# Altium PCB NG2092.PcbDoc (part 4 of 5)
Units mm, origin at the board's own origin, x right, y up, seen from the top; angles counter-clockwise.
Board outline 60 x 45 mm, 6 copper layers (Top Layer, Inner Layer 1, Ground 1, Inner Layer 2, Ground 2, Bottom Layer), stack 1.599 mm thick; 265 components, 220 nets, 1303 pads, 742 vias.
Unrouted connection lines stored in the file: 5.
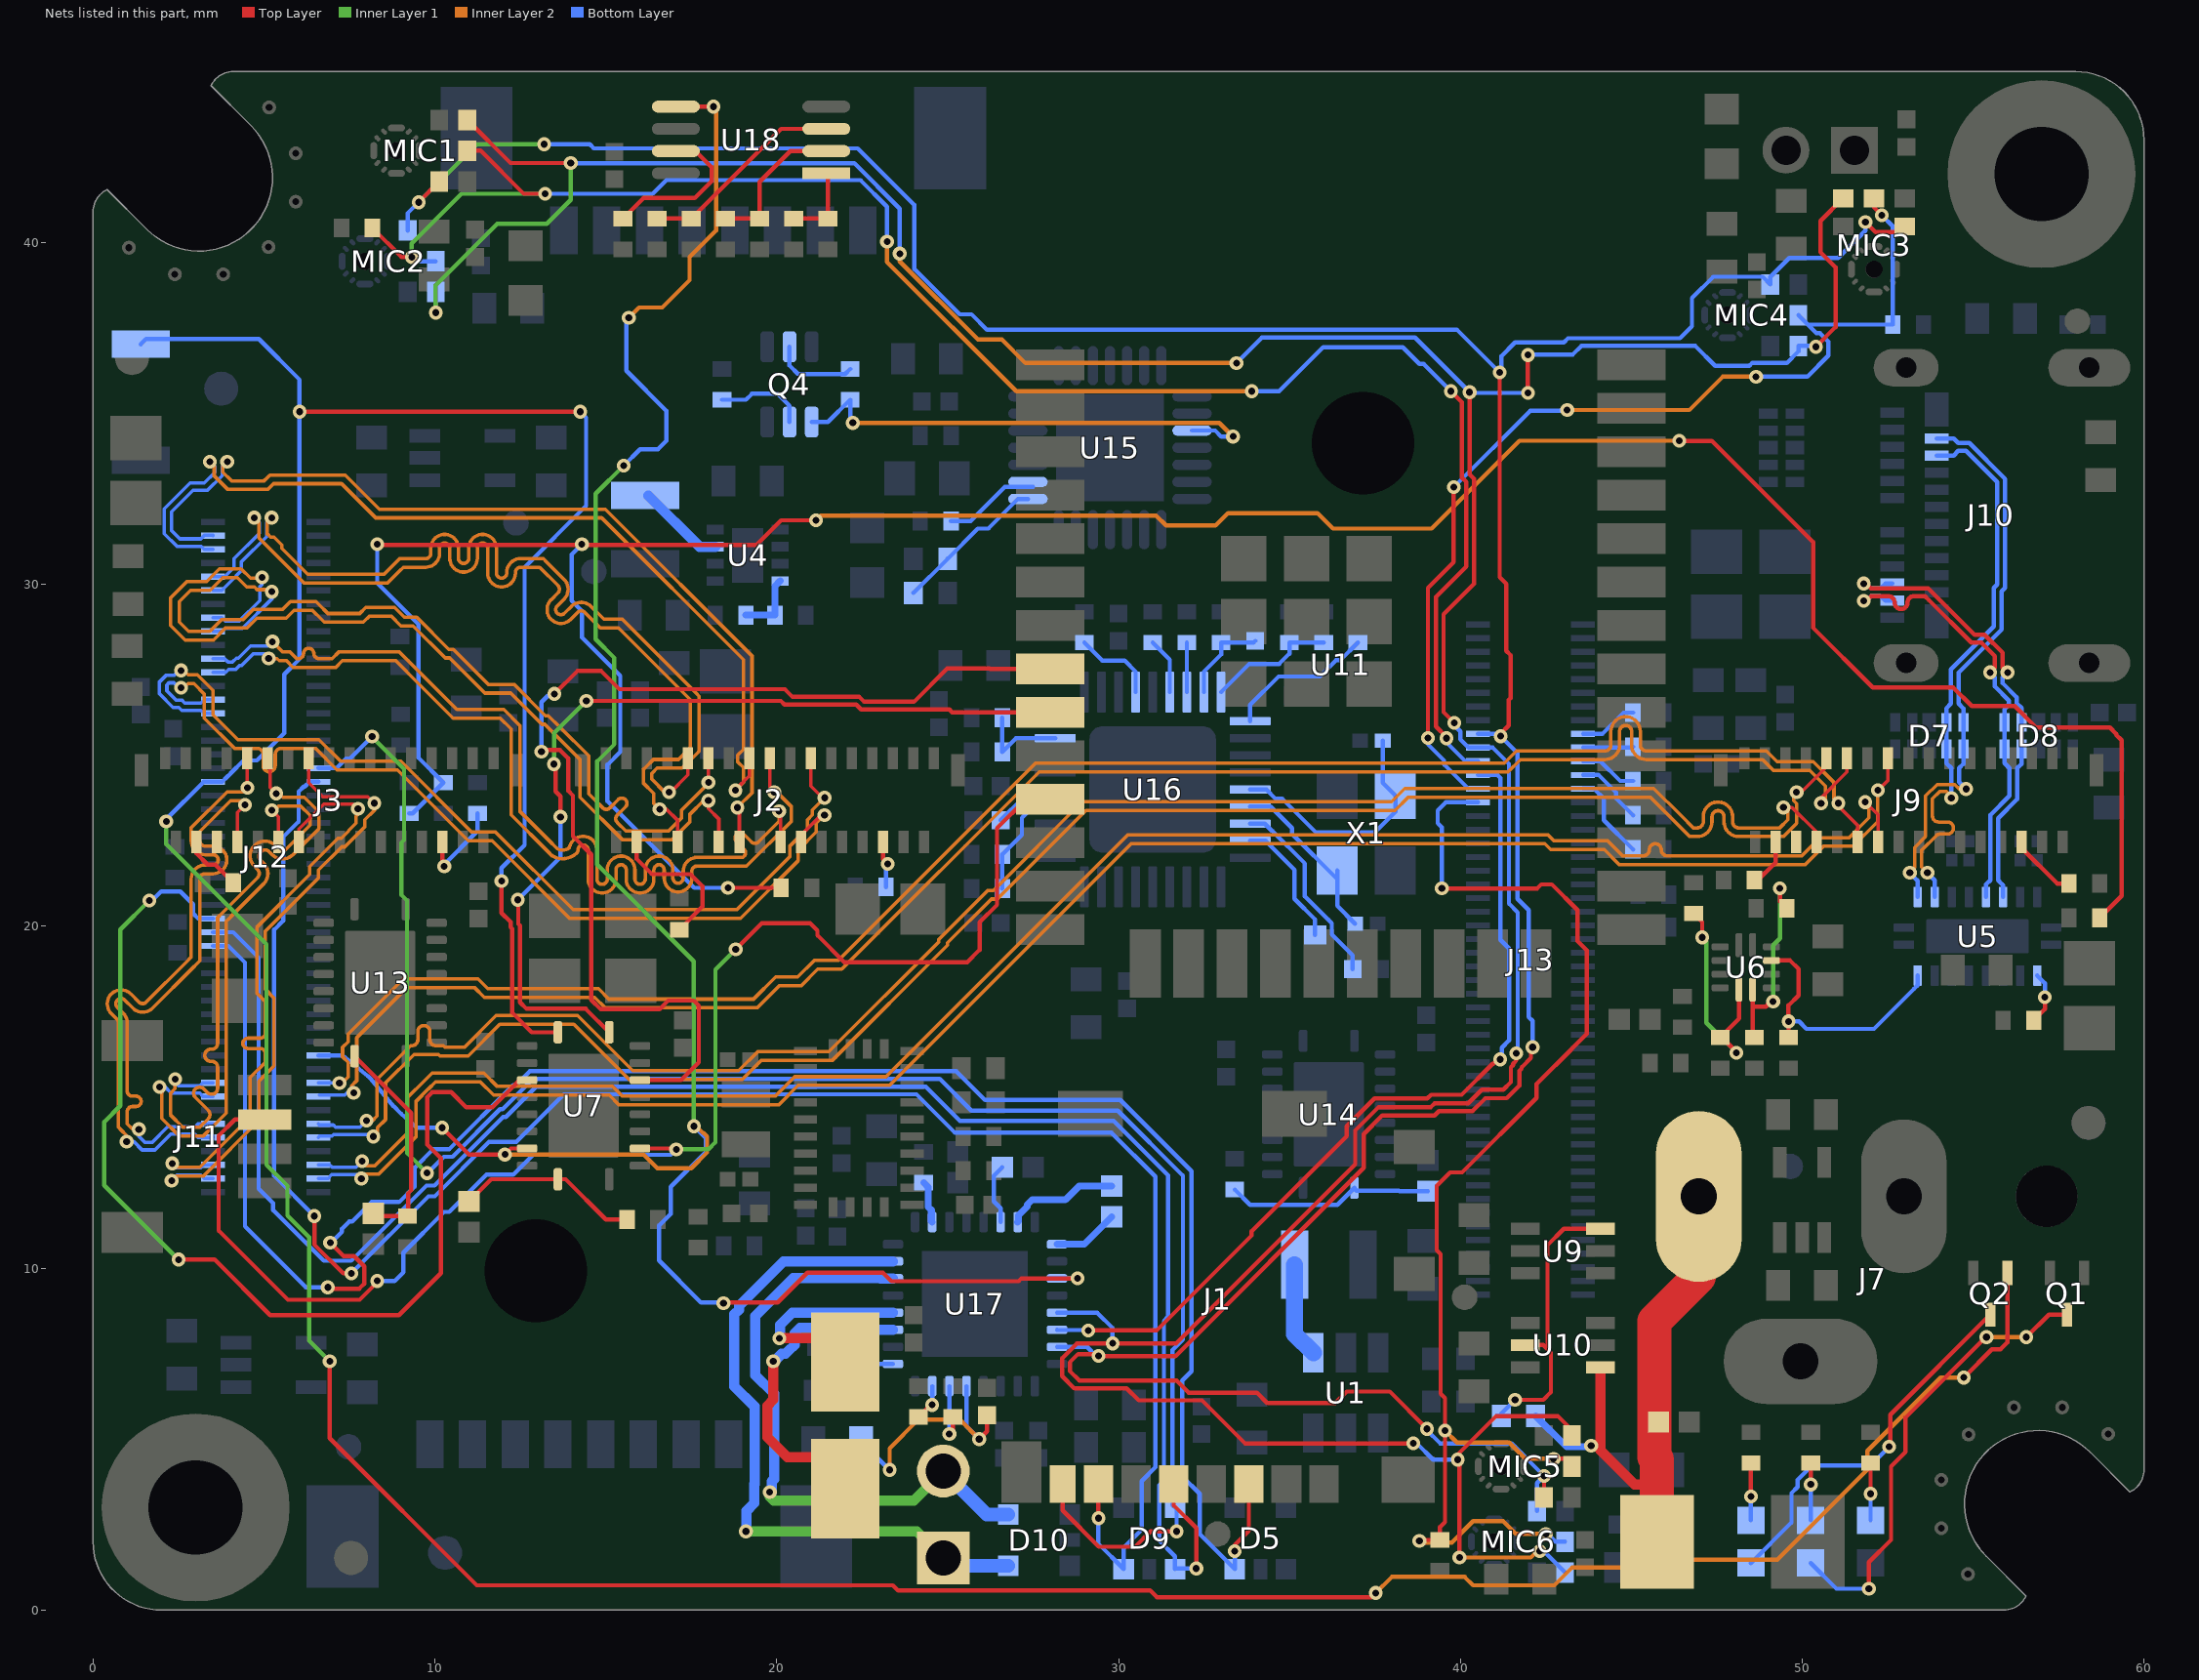
[diagram p8: the nets of this part, all layers, seen from the top]

## Via types
v1: diameter 0.406, hole 0.203, Top Layer to Bottom Layer, tented both sides, 734 vias
v2: diameter 0.508, hole 0.254, Top Layer to Bottom Layer, 8 vias

## Nets (pads, with @x,y where several pads share a name; then routed paths per layer and width w, separated by ;. In a path a pad name is that pad's centre, name@x,y a point inside that pad or via, vN(x,y) a via of type N, cw(c..) or ccw(c..) an arc to the next point about the centre after c; other vN are vias at no path point) (continued)
I2C3_SDA_1V8: J12.80 U7.8 U17.3 U18.5 | length 68.8
  Top Layer w0.125: v1(10.213,14.109) 10.997,13.325 v1(12.05,13.325) 12.225,13.5 U7.8@12.7,13.5 ; U18.5@17.05,43.975 v1(18.15,43.975) ; v1(18.442,8.973) 18.469,9 20.031,9 20.9,9.869 23.105,9.869 23.355,9.619 27.076,9.619 27.158,9.7 v1(28.8,9.7)
  Inner Layer 1 w0.125: v1(15.525,33.475) 14.7,32.65 14.7,28.4 15.25,27.85 15.25,25.325 14.75,24.825 14.75,21.8 17.575,18.975 17.575,14.155 v1(17.581,14.149)
  Inner Layer 2 w0.125: v1(12.05,13.325) 16.107,13.325 16.509,12.923 17.501,12.923 17.966,13.388 17.966,13.848 17.855,13.959 17.837,13.959 17.646,14.149 v1(17.581,14.149) ; v1(15.675,37.8) 15.975,38.1 16.65,38.1 17.45,38.9 17.45,39.575 18.225,40.35 18.225,43.9 v1(18.15,43.975)
  Bottom Layer w0.125: J12.80@6.59,16.225 7.307,16.225 8.036,15.624 cw(c7.625,15.125) 8.12,15.541 8.798,14.734 9.003,14.529 9.475,14.109 v1(10.213,14.109) ; v1(15.525,33.475) 16,33.95 16.525,33.95 16.775,34.2 16.775,35.075 15.6,36.25 15.6,37.725 v1(15.675,37.8) ; v1(17.581,14.149) 17.581,14.144 17.923,13.801 17.923,13.402 16.9,12.378 16.9,11.589 16.559,11.248 16.559,10.224 17.783,9 18.415,9 v1(18.442,8.973) ; U17.3@28.2,9.7 v1(28.8,9.7)
I2C3_SDA_3V3: J11.2 U7.13 U11.11 | length 42.8
  Top Layer w0.125: J11.2@5.025,14.35 4.15,14.35 3.675,13.875 3.675,11.1 5.7,9.075 7.8,9.075 8.311,9.586 v1(8.311,9.628) ; U7.13@16,13.5 17.036,13.5 v1(17.06,13.476) ; v1(18.8,19.325) 19.566,20.091 20.976,20.091 21.191,19.876 21.191,19.736 21.977,18.95 25.575,18.95 25.934,19.31 25.934,20.115 26.447,20.627 26.447,22.872 27.292,23.717 U11.11@28,23.717
  Inner Layer 1 w0.125: v1(17.06,13.476) 18.001,13.476 18.209,13.684 18.209,18.734 v1(18.8,19.325)
  Bottom Layer w0.125: v1(8.311,9.628) 8.825,9.628 9.075,9.878 9.075,10.45 10.27,11.645 10.422,11.645 11.511,12.734 12.295,12.734 12.876,13.316 16.9,13.316 v1(17.06,13.476)
I2S2_IN_SD0: J13.21 MIC1.6 MIC2.6 R74.1 | length 53.3
  Top Layer w0.125: R74.1@8.175,40.425 9.025,39.575 v1(9.325,39.575) ; MIC1.6@10.949,42.687 11.338,42.687 12.6,41.425 v1(13.225,41.425) ; v1(39.596,25.499) 39.596,25.534 39.284,25.845 39.284,29.634 40.177,30.527 40.177,32.995 40.045,33.127 40.045,35.33 v1(39.725,35.65)
  Inner Layer 1 w0.125: v1(9.325,39.575) 9.325,39.975 10.775,41.425 v1(13.225,41.425)
  Inner Layer 2 w0.125: v1(23.228,40.025) 23.228,39.43 27.008,35.65 v1(33.9,35.65)
  Bottom Layer w0.125: v1(9.325,39.575) 9.45,39.45 MIC2.6@10.025,39.45 ; v1(13.225,41.425) 16.375,41.425 16.775,41.825 22.45,41.825 23.228,41.047 v1(23.228,40.025) ; v1(33.9,35.65) 34.698,35.65 35.985,36.938 38.315,36.938 38.802,36.45 38.925,36.45 v1(39.725,35.65) ; v1(39.596,25.499) 39.596,25.377 40.148,24.825 J13.21@40.51,24.825
I2S2_IN_SD1: J13.25 MIC3.6 MIC4.6 R10.1 | length 30.2
  Top Layer w0.125: v1(39.05,25.511) 39.05,29.9 39.799,30.649 39.799,32.849 39.805,32.849 v1(39.811,32.844) ; MIC3.6@52.1,41.289 52.1,41.025 v1(52.325,40.8)
  Inner Layer 2 w0.125: v1(43.125,35.1) 46.7,35.1 47.675,36.075 v1(48.65,36.075)
  Bottom Layer w0.125: v1(39.05,25.511) 39.05,25.325 39.524,24.851 39.524,24.735 J13.25@40.233,24.025 ; v1(39.811,32.844) 42.042,35.075 43.1,35.075 v1(43.125,35.1) ; v1(48.65,36.075) 50.15,36.075 50.766,36.691 50.766,37.101 50.517,37.35 50.414,37.35 50.164,37.6 ; MIC4.6@49.889,37.875 50.164,37.6 ; v1(52.325,40.8) 52.65,40.475 R10.1@52.65,37.6 50.164,37.6
I2S2_IN_SD2: J13.27 MIC5.6 MIC6.6 R75.1 | length 38.2
  Top Layer w0.125: v1(38.8,2.025) 38.825,2.05 R75.1@39.4,2.05 39.4,2.425 39.55,2.575 v1(39.55,5.25) 39.55,6.197 39.422,6.325 39.422,10.41 39.309,10.523 39.309,12.409 39.7,12.8 40.05,12.8 42.228,14.978 42.228,15.386 42.78,15.937 42.783,15.937 43.7,16.855 43.7,19.296 43.428,19.568 43.428,20.472 42.675,21.225 42.366,21.225 42.248,21.107 v1(39.459,21.107) ; v1(42.725,4.425) 43.039,4.425 MIC5.6@43.264,4.2
  Inner Layer 2 w0.125: v1(38.8,2.025) 38.85,1.975 39.75,1.975 40.375,2.6 41.25,2.6 41.625,2.225 v1(42.501,2.225) ; v1(39.55,5.25) 39.9,4.9 41.425,4.9 41.9,4.425 v1(42.725,4.425)
  Bottom Layer w0.125: v1(39.459,21.107) 39.459,22.893 39.337,23.016 39.337,23.387 39.575,23.625 J13.27@40.51,23.625 ; v1(42.501,2.225) 42.55,2.225 42.775,2 MIC6.6@43.064,2
I2S2_OUT_SD0: J13.23 U17.6 | length 25.6
  Top Layer w0.125: v1(29.118,8.178) 31.113,8.178 33.894,10.959 33.894,11.079 36.675,13.86 36.675,14.15 37.487,14.963 39.032,14.963 39.141,15.072 40.037,15.072 40.943,15.978 40.964,15.978 41.094,16.108 v1(41.163,16.108)
  Bottom Layer w0.125: U17.6@28.2,8.2 28.211,8.189 29.107,8.189 v1(29.118,8.178) ; J13.23@40.51,24.425 41.085,24.425 41.173,24.337 41.173,22.287 41.171,22.285 41.171,19.606 41.428,19.348 41.428,16.668 41.212,16.452 41.212,16.157 v1(41.163,16.108)
I2S2_SCK: J13.17 MIC1.4 MIC2.4 MIC3.4 MIC4.4 MIC5.4 MIC6.4 U17.7 | length 111.3
  Top Layer w0.125: v1(9.525,41.175) 9.525,41.185 MIC1.4@10.127,41.787 ; v1(39.025,5.3) 37.934,6.391 36.674,6.391 36.342,6.059 34.347,6.059 34.047,6.359 32.052,6.359 31.699,6.712 28.856,6.712 28.575,6.992 28.575,7.246 28.817,7.488 29.362,7.488 v1(29.416,7.434) 29.428,7.422 31.66,7.422 37.175,12.937 37.175,13.925 37.712,14.463 39.242,14.463 39.37,14.591 40.352,14.591 40.733,14.972 41.36,14.972 41.728,15.34 41.728,15.771 41.791,15.835 41.791,15.873 42.065,16.147 42.065,16.413 v1(42.114,16.462) ; v1(41.149,36.201) 41.149,30.209 41.343,30.016 41.343,28.055 41.466,27.932 41.466,26.674 41.413,26.621 41.413,26.204 41.416,26.201 41.416,25.872 41.18,25.637 v1(41.18,25.561) ; MIC5.4@42.442,3.3 42.45,3.308 v1(42.45,3.925) ; v1(51.85,40.6) 52.15,40.3 52.833,40.3 MIC3.4@53,40.467
  Inner Layer 1 w0.125: v1(9.525,41.175) 11.225,42.875 v1(13.2,42.875)
  Bottom Layer w0.125: MIC2.4@9.203,40.35 9.203,40.853 v1(9.525,41.175) ; v1(13.2,42.875) 14.528,42.875 14.65,42.753 22.372,42.753 24.025,41.1 24.025,39.225 25.35,37.9 25.7,37.9 26.155,37.445 39.905,37.445 v1(41.149,36.201) 41.2,36.252 41.2,36.675 41.6,37.075 43.025,37.075 43.15,37.2 46.425,37.2 46.775,37.55 46.775,38.375 47.4,39 48.842,39 MIC4.4@49.067,38.775 49.067,38.992 49.625,39.55 51.05,39.55 51.85,40.35 v1(51.85,40.6) ; U17.7@28.2,7.7 29.081,7.7 29.346,7.434 v1(29.416,7.434) ; v1(39.025,5.3) 39.025,5.258 39.408,4.875 41.5,4.875 v1(42.45,3.925) 42.242,3.717 MIC6.4@42.242,2.9 ; J13.17@40.51,25.625 41.116,25.625 v1(41.18,25.561) 41.673,25.068 41.673,22.08 41.671,22.078 41.671,20.806 42.002,20.475 42.002,17.344 42.112,17.234 42.112,16.464 v1(42.114,16.462)
I2S2_WS: J13.19 MIC1.1 MIC2.1 MIC3.1 MIC4.1 MIC5.1 MIC6.1 U17.5 | length 123.6
  Top Layer w0.125: MIC1.1@10.949,43.587 12.211,42.325 v1(13.975,42.325) ; v1(38.625,4.875) 33.7,4.875 32.441,6.134 30.591,6.134 30.238,6.487 28.704,6.487 28.35,6.841 28.35,7.366 28.784,7.8 v1(29.825,7.8) 31.685,7.8 36.925,13.04 36.925,14.029 37.609,14.713 39.138,14.713 39.248,14.822 40.23,14.822 40.63,15.222 41.257,15.222 41.478,15.443 41.478,15.875 41.541,15.938 41.541,15.977 41.637,16.073 v1(41.637,16.289) ; v1(39.821,25.952) 39.509,26.264 39.509,29.126 40.402,30.019 40.402,33.088 40.27,33.22 v1(40.27,35.622) ; v1(39.975,1.538) 39.975,4.35 v1(39.925,4.4) 39.925,4.55 41.05,5.675 42.85,5.675 43.264,5.261 MIC5.1@43.264,5.1 ; v1(41.975,35.601) v1(41.975,36.709) ; v1(50.4,36.95) 50.975,37.525 50.975,39.275 50.534,39.716 50.534,40.634 51.189,41.289 MIC3.1@51.2,41.289
  Inner Layer 1 w0.125: v1(10.025,37.95) 10.025,38.75 11.825,40.55 13.275,40.55 13.975,41.25 v1(13.975,42.325)
  Inner Layer 2 w0.125: v1(23.6,39.675) 23.6,39.45 25.887,37.163 26.587,37.163 27.275,36.475 v1(33.45,36.475) ; v1(39.975,1.538) 42.06,1.538 42.245,1.723 v1(42.321,1.723)
  Bottom Layer w0.125: v1(10.025,37.95) MIC2.1@10.025,38.55 ; v1@13.975,42.319 22.274,42.319 23.6,40.993 v1(23.6,39.675) ; U17.5@28.2,8.7 29.375,8.7 29.825,8.25 v1(29.825,7.8) ; v1(33.45,36.475) 34.195,37.22 38.672,37.22 v1(40.27,35.622) ; v1(38.625,4.875) 38.725,4.875 39.2,4.4 v1(39.925,4.4) ; v1(39.821,25.952) 39.821,25.876 39.997,25.699 39.997,25.468 40.24,25.225 J13.19@40.51,25.225 40.95,25.225 41.423,24.752 41.423,22.184 41.421,22.182 41.421,20.664 41.678,20.407 41.678,16.33 v1(41.637,16.289) ; v1@40.27,35.601 v1(41.975,35.601) ; v1(41.975,36.709) 41.991,36.725 43.291,36.725 43.541,36.975 46.875,36.975 47.456,36.394 48.452,36.394 48.533,36.475 49.55,36.475 49.889,36.814 MIC4.1@49.889,36.975 50.375,36.975 v1(50.4,36.95) ; v1(42.321,1.723) 42.441,1.723 MIC6.1@43.064,1.1
LLS+: LS1.P U17.19 | length 9.4
  Top Layer w0.3: v1(19.9,7.275) 19.9,6.15 19.725,5.975 19.725,5.059 20.312,4.472 21.15,4.472 22,3.622 LS1.P@22,3.55
  Bottom Layer w0.3: v1(19.9,7.275) 19.929,7.275 20.148,7.495 20.254,7.495 20.337,7.578 20.346,7.578 20.528,7.76 20.528,8.102 20.686,8.26 22.414,8.26 22.474,8.2 U17.19@23.4,8.2
LLS-: LS1.N U17.20 | length 6.1
  Top Layer w0.3: v1(20.075,7.948) 21.302,7.948 LS1.N@22,7.25
  Bottom Layer w0.3: v1(20.075,7.948) 20.095,7.968 20.095,8.337 20.459,8.7 U17.20@23.4,8.7
MIPI_RX2_C_N: J3.20 J12.95 | length 18.3
  Top Layer w0.102: J3.20@6.02,22.466 6.02,22.845 6.749,23.574 7.611,23.574 v1(7.75,23.436)
  Inner Layer 2 w0.102: v1(2.316,13.062) 2.426,12.952 3.128,12.952 4.6,14.424 4.6,15.575 5.045,16.02 5.045,16.223 5.045,16.274 ccw(c4.894,16.274) 4.894,16.425 4.535,16.425 cw(c4.535,16.576) 4.535,16.727 4.894,16.727 ccw(c4.894,16.877) 5.045,16.877 5.045,17.3 5.045,17.795 4.789,18.051 4.789,19.966 6.339,21.517 6.339,21.747 7.17,22.577 7.263,22.577 7.697,23.012 7.697,23.217 7.75,23.269 v1(7.75,23.436)
  Bottom Layer w0.102: v1(2.316,13.062) 2.445,12.933 3.158,12.933 3.25,13.025 J12.95@3.51,13.025
MIPI_RX2_C_P: J3.19 J12.97 | length 18.4
  Top Layer w0.102: J3.19@6.312,24.916 6.312,24.202 6.725,23.79 8.039,23.79 v1(8.228,23.601)
  Inner Layer 2 w0.102: v1(2.3,12.556) 2.441,12.698 3.233,12.698 4.854,14.318 4.854,15.47 5.299,15.915 5.299,17.9 5.043,18.156 5.043,19.861 6.593,21.411 6.593,21.642 7.275,22.323 7.368,22.323 7.951,22.907 7.951,23.112 8.228,23.389 v1(8.228,23.601)
  Bottom Layer w0.102: v1(2.3,12.556) 2.46,12.717 3.158,12.717 3.25,12.625 J12.97@3.51,12.625
MIPI_RX2_D0_N: J3.26 J12.89 | length 18.4
  Top Layer w0.102: J3.26@4.22,22.466 4.22,23.33 v1(4.443,23.554)
  Inner Layer 2 w0.102: 0.714,17.628 cw(c0.82,17.735) 0.713,17.842 cw(c0.82,17.735) 0.927,17.842 ; 0.714,17.628 0.881,17.462 cw(c0.595,17.175) 1,17.175 1,15.677 1,15.486 1,15.181 ccw(c1.151,15.181) 1.151,15.03 1.257,15.03 cw(c1.257,14.879) 1.257,14.728 1.151,14.728 ccw(c1.151,14.577) 1,14.577 1,14.225 1.163,14.062 v1(1.342,14.062) ; 0.928,17.841 1.164,17.605 ccw(c1.451,17.89) 1.738,17.604 2.916,18.782 ; 2.917,18.783 3.042,18.908 3.125,18.991 3.125,19.158 3.125,21.386 cw(c3.276,21.386) 3.276,21.537 3.51,21.537 ccw(c3.51,21.942) 3.51,22.346 3.276,22.346 cw(c3.276,22.497) 3.125,22.497 3.125,22.675 3.125,22.777 4.025,23.677 4.32,23.677 v1(4.443,23.554)
  Bottom Layer w0.102: v1(1.342,14.062) 1.342,13.856 1.524,13.674 1.724,13.674 2.183,14.133 2.975,14.133 3.067,14.225 J12.89@3.51,14.225
MIPI_RX2_D0_P: J3.25 J12.91 | length 18.4
  Top Layer w0.102: J3.25@4.512,24.916 4.512,24.062 v1(4.52,24.054)
  Inner Layer 2 w0.102: v1(0.984,13.704) 0.984,13.882 0.82,14.045 0.746,14.12 0.746,15.729 0.746,17.175 ccw(c0.595,17.175) 0.701,17.282 0.534,17.449 cw(c0.82,17.735) 0.534,18.022 cw(c0.82,17.735) 1.107,18.021 1.344,17.784 ; 1.344,17.784 ccw(c1.451,17.89) 1.558,17.784 2.736,18.962 2.862,19.088 2.871,19.097 2.871,19.158 2.871,21.386 cw(c3.276,21.386) 3.276,21.791 3.51,21.791 ccw(c3.51,21.942) 3.51,22.092 3.276,22.092 cw(c3.276,22.497) 2.871,22.497 2.871,22.675 2.871,22.882 3.92,23.931 4.396,23.931 v1(4.52,24.054)
  Bottom Layer w0.102: v1(0.984,13.704) 1.189,13.704 1.435,13.458 1.813,13.458 2.272,13.917 2.975,13.917 3.067,13.825 J12.91@3.51,13.825
MIPI_RX2_D1_N: J3.22 J12.83 | length 18.4
  Top Layer w0.102: v1(5.23,23.394) 5.42,23.204 J3.22@5.42,22.466
  Inner Layer 2 w0.102: v1(2.4,15.525) 2.4,15.245 2.262,15.107 2.262,14.488 2.625,14.125 3.125,14.125 3.162,14.163 3.369,14.369 ccw(c3.245,14.493) 3.369,14.618 2.994,14.992 cw(c3.118,15.117) 2.994,15.241 cw(c3.118,15.117) 3.243,15.241 3.346,15.138 ccw(c3.47,15.262) 3.646,15.262 3.646,15.531 3.646,15.825 3.646,15.876 ccw(c3.47,15.876) 3.47,16.052 3.445,16.052 cw(c3.445,16.227) 3.269,16.227 cw(c3.445,16.227) 3.445,16.403 3.47,16.403 ccw(c3.47,16.579) 3.646,16.579 3.646,16.825 3.646,20.254 3.783,20.392 3.909,20.517 ; 3.909,20.518 4.81,21.418 ccw(c4.686,21.543) 4.81,21.668 ; 4.81,21.668 4.724,21.754 cw(c5.028,22.058) 4.724,22.362 cw(c5.028,22.058) 5.332,22.361 ; v1(5.23,23.394) 5.308,23.394 5.429,23.515 6.075,23.515 6.35,23.24 6.35,22.958 6.221,22.829 6.095,22.704 ; 5.333,22.361 5.418,22.276 ccw(c5.543,22.4) 5.667,22.276 6.095,22.703
  Bottom Layer w0.102: v1(2.4,15.525) 2.4,15.425 2.492,15.333 3.125,15.333 3.217,15.425 J12.83@3.51,15.425
MIPI_RX2_D1_P: J3.23 J12.85 | length 18.5
  Top Layer w0.102: J3.23@5.112,24.916 5.182,24.846 5.182,24.06 v1(5.358,23.884)
  Inner Layer 2 w0.102: v1(1.947,15.299) 2.008,15.238 2.008,14.383 2.52,13.871 3.23,13.871 3.825,14.466 3.9,14.541 3.9,20.149 3.963,20.212 4.088,20.337 ; 4.089,20.338 4.989,21.239 ccw(c4.686,21.543) 4.989,21.848 4.904,21.933 ; 4.904,21.933 cw(c5.028,22.058) 5.152,22.182 ; 5.153,22.181 5.238,22.096 ccw(c5.543,22.4) 5.847,22.096 6.274,22.523 ; v1(5.358,23.884) 5.439,23.884 5.554,23.769 6.18,23.769 6.604,23.346 6.604,22.853 6.4,22.65 6.275,22.524
  Bottom Layer w0.102: v1(1.947,15.299) 2.105,15.299 2.287,15.117 3.125,15.117 3.217,15.025 J12.85@3.51,15.025
MIPI_RX3_C_N: J9.20 J12.96 | length 53.6
  Top Layer w0.102: v1(51.844,23.632) 52.22,23.257 J9.20@52.22,22.466
  Inner Layer 2 w0.102: v1(7.871,13.126) 7.997,13 8.247,13 9.2,13.953 9.2,14.993 9.703,15.496 9.707,15.496 9.919,15.708 11.432,15.708 11.825,15.315 15.204,15.315 15.481,15.038 19.963,15.038 20.525,15.6 23.198,15.6 30.266,22.668 42.571,22.668 42.743,22.496 44.313,22.496 44.747,22.062 45.3,22.062 45.351,22.062 ccw(c45.351,22.238) 45.527,22.238 cw(c45.702,22.238) 45.702,22.414 cw(c45.702,22.238) 45.878,22.238 ccw(c46.054,22.238) 46.054,22.062 46.775,22.062 49.987,22.062 50.519,22.594 51.375,22.594 51.95,23.169 51.95,23.526 v1(51.844,23.632)
  Bottom Layer w0.102: J12.96@6.59,13.025 6.925,13.025 7,12.95 7.695,12.95 v1(7.871,13.126)
MIPI_RX3_C_P: J9.19 J12.98 | length 53.7
  Top Layer w0.102: v1(52.215,23.977) 52.512,24.275 J9.19@52.512,24.916
  Inner Layer 2 w0.102: v1(7.85,12.62) 7.976,12.746 8.353,12.746 9.454,13.848 9.454,14.887 9.809,15.242 9.812,15.242 10.024,15.454 11.327,15.454 11.72,15.061 15.099,15.061 15.375,14.784 20.068,14.784 20.63,15.346 23.303,15.346 30.371,22.414 42.466,22.414 42.638,22.242 44.208,22.242 44.642,21.808 50.092,21.808 50.624,22.34 51.48,22.34 52.204,23.064 52.204,23.967 v1(52.215,23.977)
  Bottom Layer w0.102: J12.98@6.59,12.625 6.875,12.625 6.984,12.734 7.736,12.734 v1(7.85,12.62)
MIPI_RX3_D0_N: J9.26 J12.90 | length 53.6
  Top Layer w0.102: v1(49.45,23.475) 49.7,23.475 50.42,22.755 J9.26@50.42,22.466
  Inner Layer 2 w0.102: v1(8.002,14.317) 8.17,14.317 8.303,14.45 8.303,15.523 9.275,16.495 9.288,16.508 9.326,16.508 ccw(c9.326,16.684) 9.502,16.684 9.502,16.919 cw(c9.677,16.919) 9.677,17.095 cw(c9.677,16.919) 9.853,16.919 9.853,16.684 ccw(c10.029,16.684) 10.029,16.508 10.244,16.508 10.287,16.465 10.475,16.465 10.87,16.465 11.794,17.389 14.172,17.389 15.786,15.775 18.888,15.775 19.45,16.337 21.53,16.337 24.745,19.551 24.745,19.621 26.173,21.05 26.344,21.05 28.94,23.646 37.986,23.646 38.373,24.033 45.659,24.033 46.45,23.242 46.813,22.879 46.931,22.879 ccw(c46.931,23.055) 47.106,23.055 47.106,23.206 cw(c47.536,23.206) 47.966,23.206 47.966,23.055 ccw(c48.142,23.055) 48.142,22.879 49.1,22.879 49.345,22.879 49.581,23.115 49.581,23.419 49.525,23.475 v1(49.45,23.475)
  Bottom Layer w0.102: J12.90@6.59,14.225 6.629,14.186 7.028,14.186 7.089,14.125 7.811,14.125 v1@8.002,14.316
MIPI_RX3_D0_P: J9.25 J12.92 | length 53.6
  Top Layer w0.102: v1(49.835,23.926) 49.979,23.926 50.712,24.659 J9.25@50.712,24.916
  Inner Layer 2 w0.102: v1(8.2,13.85) 8.325,13.976 8.325,14.113 8.557,14.345 8.557,15.418 9.393,16.254 10.102,16.254 10.145,16.211 10.975,16.211 11.899,17.135 14.067,17.135 15.681,15.521 16.225,15.521 18.993,15.521 19.555,16.083 20.625,16.083 21.636,16.083 24.999,19.446 24.999,19.516 26.279,20.796 26.449,20.796 29.045,23.392 38.092,23.392 38.479,23.779 45.553,23.779 46.45,22.882 46.707,22.625 46.931,22.625 ccw(c46.931,23.055) 47.36,23.055 47.36,23.206 cw(c47.536,23.206) 47.712,23.206 47.712,23.055 ccw(c48.142,23.055) 48.142,22.625 49.1,22.625 49.45,22.625 49.835,23.01 49.835,23.59 49.75,23.675 49.75,23.841 v1(49.835,23.926)
  Bottom Layer w0.102: J12.92@6.59,13.825 6.629,13.864 6.997,13.864 7.042,13.909 8.141,13.909 v1(8.2,13.85)
MIPI_RX3_D1_N: J9.22 J12.84 | length 53.6
  Top Layer w0.102: v1(51.058,23.6) 51.05,23.6 51.05,23.521 51.62,22.952 J9.22@51.62,22.466
  Inner Layer 2 w0.102: v1(7.209,15.413) 7.285,15.413 7.461,15.59 7.461,16.025 7.3,16.186 7.3,16.464 7.461,16.625 7.461,16.845 9.08,18.464 11.261,18.464 11.551,18.174 14.784,18.174 15.09,17.869 19.323,17.869 19.972,18.517 20.615,18.517 21.097,18.999 21.799,18.999 27.571,24.771 33.25,24.771 34.725,24.771 41.289,24.771 41.647,25.129 44.05,25.129 44.228,25.129 ccw(c44.228,25.305) 44.404,25.305 44.404,25.699 cw(c44.833,25.699) 44.833,26.129 cw(c44.833,25.699) 45.263,25.699 45.263,25.305 ccw(c45.439,25.305) 45.439,25.129 46.175,25.129 48.948,25.129 49.262,24.815 50.323,24.815 50.929,24.209 50.929,23.729 v1(51.058,23.6)
  Bottom Layer w0.102: J12.84@6.59,15.425 7.209,15.425 v1(7.209,15.413)
MIPI_RX3_D1_P: J9.23 J12.86 | length 53.5
  Top Layer w0.102: v1@50.5,23.7 51.312,24.512 J9.23@51.312,24.916
  Inner Layer 2 w0.102: v1(7.625,15.125) 7.563,15.187 7.563,15.332 7.715,15.485 7.715,15.6 7.715,16.74 9.185,18.21 11.156,18.21 11.446,17.92 14.679,17.92 14.984,17.615 19.429,17.615 20.077,18.263 20.72,18.263 21.202,18.745 21.904,18.745 27.676,24.517 33.25,24.517 34.725,24.517 41.394,24.517 41.752,24.875 42.823,24.875 44.05,24.875 44.228,24.875 ccw(c44.228,25.305) 44.658,25.305 44.658,25.699 cw(c44.833,25.699) 44.833,25.875 cw(c44.833,25.699) 45.009,25.699 45.009,25.305 ccw(c45.439,25.305) 45.439,24.875 46.175,24.875 46.343,24.875 48.843,24.875 49.157,24.561 50.218,24.561 50.675,24.104 50.675,23.723 v1(50.551,23.599)
  Bottom Layer w0.102: J12.86@6.624,15.059 7.355,15.059 7.421,15.125 v1(7.625,15.125)
MIPI_RX4_C_N: J2.20 J12.3 | length 28.2
  Top Layer w0.102: v1(18.847,23.472) 18.847,23.39 18.907,23.329 J2.20@18.907,22.466
  Inner Layer 2 w0.102: v1(3.926,33.591) 3.8,33.465 3.8,33.279 4.05,33.029 5.004,33.029 5.1,33.125 5.174,33.199 7.376,33.199 7.45,33.125 8.376,32.199 14.985,32.199 15.059,32.125 19.279,27.905 19.279,23.904 v1(18.847,23.472)
  Bottom Layer w0.102: J12.3@3.51,31.425 3.51,31.435 3.26,31.435 3.158,31.333 2.542,31.333 2.3,31.575 2.3,32.125 2.925,32.75 3.345,32.75 3.781,33.186 3.781,33.446 v1(3.926,33.591)
MIPI_RX4_C_P: J2.19 J12.5 | length 28.1
  Top Layer w0.102: v1(18.792,23.976) 18.792,23.992 19.2,24.4 J2.19@19.2,24.916